# Altium PCB LPC4357_SDRAM_v0.2.PcbDoc (part 2 of 3)
Units mm, origin at the board's own origin, x right, y up, seen from the top; angles counter-clockwise.
Board outline 50 x 50 mm, 4 copper layers (Top Layer, Int1 (GND), Int2 (PWR), Bottom Layer), stack 1.57 mm thick; 82 components, 233 nets, 695 pads, 346 vias.
Unrouted connection lines stored in the file: 15.
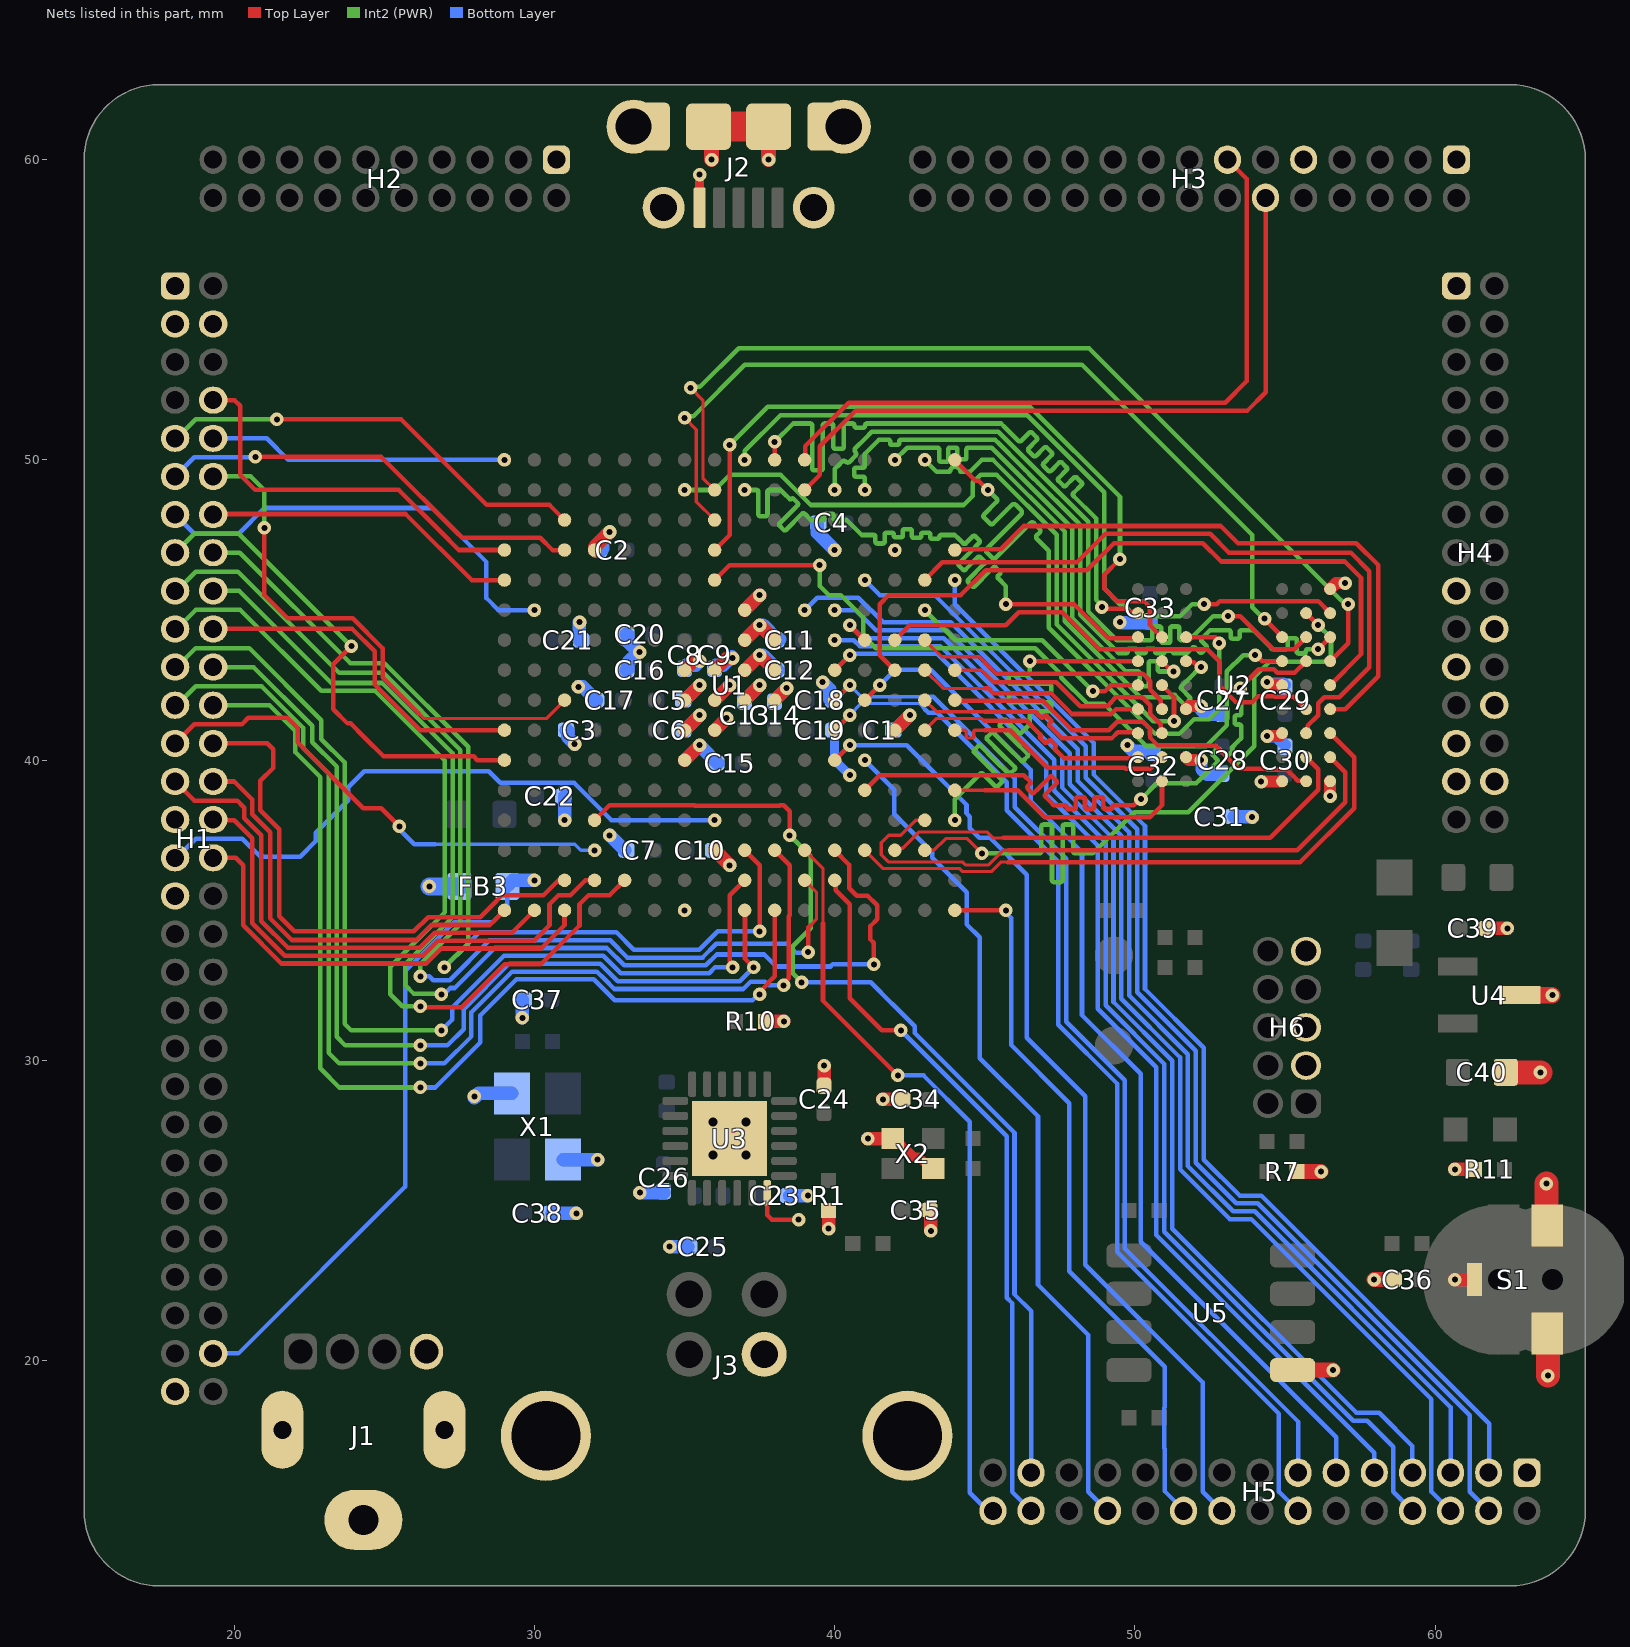
[diagram p4: the nets of this part, all layers, seen from the top]

## Via types
v1: diameter 0.45, hole 0.2, Top Layer to Bottom Layer, tented both sides, 257 vias
v2: diameter 0.45, hole 0.2, Top Layer to Bottom Layer, tented bottom, 71 vias
v3: diameter 0.5, hole 0.25, Top Layer to Bottom Layer, tented both sides, 13 vias
v4: diameter 0.5, hole 0.3, Top Layer to Bottom Layer, tented bottom, 4 vias
v5: diameter 0.45, hole 0.2, Top Layer to Bottom Layer, 1 vias

## Nets (pads, with @x,y where several pads share a name; then routed paths per layer and width w, separated by ;. In a path a pad name is that pad's centre, name@x,y a point inside that pad or via, vN(x,y) a via of type N, cw(c..) or ccw(c..) an arc to the next point about the centre after c; other vN are vias at no path point) (continued)
EMC_A7: U1.R3 U2.H2 | length 25.3
  Top Layer w0.11: U1.R3@43,37 43.3,37 43.69,37.39 44.41,37.39 v1(44.9,36.9)
  Top Layer w0.152: U2.H2@55.7,44.9 v1(56.1,44.5)
  Int2 (PWR) w0.152: v1(44.9,36.9) 45.287,36.9 46.708,36.9 46.814,36.9 ccw(c46.814,36.97) 46.884,36.97 46.884,37.787 cw(c46.954,37.787) 46.954,37.858 47.166,37.858 cw(c47.166,37.787) 47.236,37.787 47.236,36.9 47.236,36.012 ccw(c47.306,36.012) 47.306,35.942 47.518,35.942 ccw(c47.518,36.012) 47.588,36.012 47.588,36.9 47.588,37.787 cw(c47.658,37.787) 47.658,37.858 47.87,37.858 cw(c47.87,37.787) 47.94,37.787 47.94,36.97 ccw(c48.01,36.97) 48.01,36.9 48.6,36.9 49.972,38.272 51.777,38.272 53.972,40.467 53.972,42.777 54.467,43.272 56.372,43.272 56.528,43.428 56.528,44.072 v1(56.1,44.5)
EMC_A8: U1.J16 U2.H1 | length 25.3
  Top Layer w0.152: v1(52.3,45.2) 52.717,45.2 52.817,45.3 56.1,45.3 U2.H1@56.5,44.9
  Int2 (PWR) w0.152: v2(37,50) 37,50.3 38.193,51.493 46.407,51.493 48.972,48.928 48.972,45.723 49.497,45.197 49.603,45.197 50,44.8 51.5,44.8 51.9,45.2 v1(52.3,45.2)
EMC_A9: U1.H14 U2.G3 | length 29.6
  Top Layer w0.11: v1(35,51.4) 35.39,51.01 35.39,49.838 35.39,48.61 U1.H14@36,48
  Top Layer w0.152: v1(54.316,44.716) 54.316,44.7 54.9,44.116 U2.G3@54.9,44.1
  Int2 (PWR) w0.152: v1(35,51.4) 35.048,51.448 35.289,51.448 37.008,53.167 48.233,53.167 53.9,47.5 53.9,45.1 54.284,44.716 v1(54.316,44.716)
EMC_A10: U1.K16 U2.H9 | length 25.5
  Top Layer w0.152: U1.K16@38,50 v1(38,50.6) ; v1(48.9,45.1) 48.957,45.043 49.281,45.043 49.286,45.038 49.667,45.038 49.758,44.947 50.053,44.947 U2.H9@50.1,44.9
  Int2 (PWR) w0.152: v1(38,50.6) 38.614,51.214 38.722,51.214 38.898,51.214 39.179,51.214 cw(c39.179,51.144) 39.25,51.144 39.25,49.723 ccw(c39.32,49.723) 39.32,49.653 39.531,49.653 ccw(c39.531,49.723) 39.602,49.723 39.602,51.144 cw(c39.672,51.144) 39.672,51.214 39.883,51.214 cw(c39.883,51.144) 39.954,51.144 39.954,50.444 ccw(c40.024,50.444) 40.024,50.374 40.235,50.374 ccw(c40.235,50.444) 40.306,50.444 40.306,51.144 cw(c40.376,51.144) 40.376,51.214 40.587,51.214 cw(c40.587,51.144) 40.658,51.144 ccw(c40.728,51.144) 40.728,51.073 40.939,51.073 ccw(c40.939,51.144) 41.01,51.144 cw(c41.08,51.144) 41.08,51.214 41.362,51.214 41.714,51.214 42.066,51.214 42.418,51.214 42.77,51.214 43.122,51.214 43.474,51.214 43.826,51.214 44.178,51.214 44.53,51.214 44.882,51.214 45.234,51.214 45.539,51.214 45.663,51.09 45.912,50.841 46.111,50.642 ccw(c46.161,50.691) 46.211,50.642 46.472,50.903 cw(c46.522,50.853) 46.572,50.903 46.721,50.754 cw(c46.671,50.704) 46.721,50.654 46.46,50.393 ccw(c46.509,50.343) 46.46,50.293 46.609,50.144 ccw(c46.659,50.194) 46.708,50.144 46.97,50.405 cw(c47.02,50.355) 47.069,50.405 47.219,50.256 cw(c47.169,50.206) 47.219,50.156 46.957,49.895 ccw(c47.007,49.845) 46.957,49.795 47.107,49.646 ccw(c47.156,49.696) 47.206,49.646 47.468,49.907 cw(c47.517,49.858) 47.567,49.907 47.717,49.758 cw(c47.667,49.708) 47.717,49.658 47.455,49.397 ccw(c47.505,49.347) 47.455,49.297 47.605,49.148 ccw(c47.654,49.198) 47.704,49.148 47.966,49.41 cw(c48.015,49.36) 48.065,49.41 48.214,49.26 cw(c48.165,49.21) 48.214,49.161 47.953,48.899 ccw(c48.003,48.849) 47.953,48.8 48.655,48.098 48.702,48.05 48.702,45.338 48.9,45.14 v1(48.9,45.1)
EMC_A11: U1.M15 U2.G2 | length 24.5
  Top Layer w0.152: v1(53.1,44.8) 53.5,44.8 54.6,43.7 55.3,43.7 U2.G2@55.7,44.1
  Int2 (PWR) w0.152: v2(40,49) 40,49.7 40.145,49.845 40.241,49.941 cw(c40.305,49.877) 40.369,49.941 ccw(c40.433,50.005) 40.497,49.941 40.689,50.133 ccw(c40.625,50.197) 40.689,50.261 cw(c40.753,50.325) 40.689,50.389 41.025,50.725 41.235,50.935 45.447,50.935 48.44,47.942 48.44,44.954 49.395,44 49.459,44 50.112,44 50.264,44 50.508,44 ccw(c50.508,44.061) 50.568,44.061 50.568,44.392 cw(c50.629,44.392) 50.629,44.453 50.812,44.453 cw(c50.812,44.392) 50.872,44.392 50.872,44 50.872,43.969 ccw(c50.933,43.969) 50.933,43.909 51.116,43.909 ccw(c51.116,43.969) 51.176,43.969 51.176,44 51.176,44.392 cw(c51.237,44.392) 51.237,44.453 51.42,44.453 cw(c51.42,44.392) 51.48,44.392 51.48,44.061 ccw(c51.541,44.061) 51.541,44 51.8,44 52.2,44.4 52.6,44.8 v1(53.1,44.8)
EMC_A12: U1.N15 U2.G1 | length 25.5
  Top Layer w0.152: v1(56.1,43.7) U2.G1@56.5,44.1
  Int2 (PWR) w0.152: v2(41,49) 41,49.181 41,49.379 ccw(c40.939,49.379) 40.939,49.44 40.712,49.44 cw(c40.712,49.501) 40.651,49.501 40.651,49.683 cw(c40.712,49.683) 40.712,49.744 40.939,49.744 ccw(c40.939,49.805) 41,49.805 41,50.048 41,50.2 41.473,50.673 41.539,50.673 41.782,50.673 cw(c41.782,50.612) 41.843,50.612 41.843,50.562 ccw(c41.903,50.562) 41.903,50.502 42.086,50.502 ccw(c42.086,50.562) 42.147,50.562 42.147,50.612 cw(c42.207,50.612) 42.207,50.673 42.451,50.673 42.755,50.673 43.059,50.673 43.363,50.673 43.667,50.673 43.971,50.673 44.275,50.673 44.579,50.673 44.883,50.673 45.187,50.673 45.339,50.673 45.491,50.52 45.706,50.305 45.921,50.09 46.136,49.875 46.351,49.66 46.566,49.445 46.781,49.23 46.996,49.015 47.211,48.801 47.426,48.586 47.641,48.371 47.856,48.156 48.071,47.941 48.178,47.833 48.178,47.734 48.178,47.43 48.178,47.126 48.178,46.822 48.178,46.518 48.178,46.214 48.178,45.91 48.178,45.606 48.178,45.302 48.178,44.998 48.178,44.846 48.28,44.744 48.495,44.529 48.71,44.314 48.925,44.099 49.14,43.884 49.355,43.669 49.462,43.562 49.696,43.562 ccw(c49.696,43.623) 49.757,43.623 49.757,43.657 cw(c49.817,43.657) 49.817,43.718 50,43.718 cw(c50,43.657) 50.061,43.657 50.061,43.623 ccw(c50.121,43.623) 50.121,43.562 50.304,43.562 ccw(c50.304,43.623) 50.365,43.623 50.365,43.657 cw(c50.425,43.657) 50.425,43.718 50.608,43.718 cw(c50.608,43.657) 50.669,43.657 50.669,43.623 ccw(c50.729,43.623) 50.729,43.562 50.949,43.562 ccw(c50.949,43.586) 50.973,43.586 cw(c51.033,43.586) 51.033,43.647 51.216,43.647 cw(c51.216,43.586) 51.277,43.586 ccw(c51.3,43.586) 51.3,43.562 51.581,43.562 51.733,43.562 51.746,43.576 51.918,43.748 cw(c51.961,43.705) 52.004,43.748 52.155,43.596 ccw(c52.198,43.639) 52.241,43.596 52.37,43.725 ccw(c52.327,43.768) 52.37,43.811 52.219,43.962 cw(c52.262,44.005) 52.219,44.048 52.391,44.22 52.498,44.328 52.574,44.328 52.878,44.328 53.121,44.328 cw(c53.121,44.267) 53.182,44.267 53.182,44.113 ccw(c53.243,44.113) 53.243,44.052 53.425,44.052 ccw(c53.425,44.113) 53.486,44.113 53.486,44.267 cw(c53.547,44.267) 53.547,44.328 53.79,44.328 53.942,44.328 54.033,44.237 54.248,44.022 54.463,43.807 54.57,43.7 54.782,43.7 55.025,43.7 ccw(c55.025,43.761) 55.086,43.761 55.086,44.001 cw(c55.146,44.001) 55.146,44.062 55.329,44.062 cw(c55.329,44.001) 55.39,44.001 55.39,43.7 55.39,43.615 ccw(c55.45,43.615) 55.45,43.554 55.633,43.554 ccw(c55.633,43.615) 55.694,43.615 55.694,43.639 cw(c55.754,43.639) 55.754,43.7 55.846,43.7 v1(56.1,43.7)
EMC_A13: U1.T16 U2.G7 | length 23.2
  Top Layer w0.152: U1.T16@44,50 44.7,49.3 44.8,49.3 v1(45.1,49) ; U2.G7@51.7,44.1 52.68,44.1 52.8,43.981 v1(52.8,43.9)
  Int2 (PWR) w0.15: 50.17,41.372 50.669,40.873 51.477,40.873 51.976,41.372 52.472,41.372 52.8,41.7 v1(52.8,43.9)
  Int2 (PWR) w0.152: v1(45.1,49) 45.105,49 45.358,48.747 45.385,48.72 cw(c45.324,48.659) 45.385,48.598 44.979,48.192 ccw(c45.041,48.131) 44.979,48.069 45.163,47.886 ccw(c45.224,47.947) 45.286,47.886 45.753,48.353 45.903,48.504 cw(c45.965,48.442) 46.026,48.504 46.21,48.32 cw(c46.148,48.259) 46.21,48.197 46.059,48.047 45.061,47.049 ccw(c45.122,46.987) 45.061,46.926 45.244,46.742 ccw(c45.306,46.804) 45.367,46.742 46.365,47.74 46.516,47.891 cw(c46.577,47.83) 46.638,47.891 46.822,47.708 cw(c46.761,47.646) 46.822,47.585 46.732,47.495 ccw(c46.794,47.434) 46.732,47.373 46.977,47.128 47.13,46.975 47.13,44.412 50.17,41.372
EMC_A14: U1.H13 U2.G8 | length 24.7
  Top Layer w0.152: U1.H13@36,47 36.5,47.5 v1(36.5,50.5) ; v1(49.5,46.7) 48.972,46.172 48.972,45.723 49.395,45.3 50.3,45.3 50.5,45.1 50.5,44.5 U2.G8@50.9,44.1
  Int2 (PWR) w0.152: v1(36.5,50.5) 37.772,51.772 46.499,51.772 49.5,48.771 v1(49.5,46.7)
EMC_CAS: U1.R16 U2.F7 | length 16.7
  Top Layer w0.152: U2.F7@51.7,43.3 51.739,43.261 51.962,43.261 52.123,43.1 v1(52.2,43.1)
  Int2 (PWR) w0.15: 49.756,42.527 50.183,42.1 51.186,42.1 51.25,42.164 cw(c51.292,42.121) 51.334,42.164 51.616,41.882 ccw(c51.658,41.925) 51.701,41.882 51.828,42.01 ccw(c51.786,42.052) 51.828,42.094 51.547,42.376 cw(c51.589,42.418) 51.547,42.461 51.716,42.63 51.818,42.732 52.162,43.076 52.162,43.1 v1(52.2,43.1)
  Int2 (PWR) w0.152: v2(43,50) 43.4,49.6 43.485,49.6 43.837,49.6 cw(c44.013,49.6) 44.189,49.6 44.5,49.6 44.9,50 45.271,50 47.654,47.616 47.654,44.629 49.756,42.527
EMC_CKE: U1.H12 U2.F3 | length 24.8
  Top Layer w0.152: U1.H12@36,46 36.5,46.5 v1(39.5,46.5) ; v1(54,43.5) 54.038,43.5 54.238,43.3 U2.F3@54.9,43.3
  Int2 (PWR) w0.152: v1(39.5,46.5) 39.5,45.8 39.8,45.5 40.2,45.5 40.942,44.758 40.942,44.158 41.372,43.728 45,43.728 46.677,43.728 47.55,42.855 47.55,42.745 48.423,41.872 48.977,41.872 50.377,40.472 52.377,40.472 53.062,41.157 53.062,42.962 53.6,43.5 v1(54,43.5)
EMC_CLK: U1.N5 U2.F2 | length 22.5
  Top Layer w0.15: v1(53.5,42.4) 54.126,43.027 54.629,43.027 54.741,42.915 55.315,42.915 U2.F2@55.7,43.3
  Top Layer w0.152: U1.N5@41,39 41.5,39.5 46.2,39.5 46.3,39.5 46.333,39.467 46.505,39.295 cw(c46.462,39.252) 46.505,39.209 46.434,39.139 ccw(c46.477,39.096) 46.434,39.053 46.563,38.924 ccw(c46.606,38.967) 46.649,38.924 46.763,39.037 47.165,39.44 cw(c47.208,39.397) 47.251,39.44 47.38,39.311 cw(c47.337,39.268) 47.38,39.225 47.021,38.865 ccw(c47.064,38.822) 47.021,38.779 47.193,38.607 47.3,38.5 47.424,38.5 47.667,38.5 cw(c47.667,38.439) 47.728,38.439 47.728,38.435 ccw(c47.789,38.435) 47.789,38.374 47.971,38.374 ccw(c47.971,38.435) 48.032,38.435 48.032,38.5 48.032,38.709 cw(c48.093,38.709) 48.093,38.77 48.275,38.77 cw(c48.275,38.709) 48.336,38.709 48.336,38.5 48.336,38.435 ccw(c48.397,38.435) 48.397,38.374 48.579,38.374 ccw(c48.579,38.435) 48.64,38.435 48.64,38.5 48.64,38.709 cw(c48.701,38.709) 48.701,38.77 48.883,38.77 cw(c48.883,38.709) 48.944,38.709 48.944,38.5 48.944,38.435 ccw(c49.005,38.435) 49.005,38.374 49.187,38.374 ccw(c49.187,38.435) 49.248,38.435 49.248,38.439 cw(c49.309,38.439) 49.309,38.5 49.4,38.5 49.962,38.5 50.162,38.7 v1(50.2,38.7)
  Int2 (PWR) w0.152: v1(50.2,38.7) 50.728,39.228 51.1,39.228 51.273,39.228 51.577,39.228 51.881,39.228 52.033,39.228 52.137,39.331 52.352,39.546 52.567,39.761 52.739,39.933 ccw(c52.696,39.976) 52.739,40.019 52.596,40.162 cw(c52.639,40.205) 52.596,40.248 52.725,40.377 cw(c52.768,40.334) 52.811,40.377 52.996,40.191 53.024,40.164 ccw(c53.067,40.207) 53.11,40.164 53.239,40.293 ccw(c53.196,40.336) 53.239,40.379 cw(c53.266,40.406) 53.239,40.434 53.426,40.621 53.534,40.729 53.534,40.884 53.534,41.127 ccw(c53.473,41.127) 53.473,41.188 53.385,41.188 cw(c53.385,41.249) 53.324,41.249 53.324,41.431 cw(c53.385,41.431) 53.385,41.492 53.473,41.492 ccw(c53.473,41.553) 53.534,41.553 53.534,41.796 53.534,41.948 53.534,42.366 v1(53.5,42.4)
EMC_CS0: U1.J15 U2.G9 | length 24.7
  Top Layer w0.15: 48.922,44.248 49.109,44.062 50.062,44.062 U2.G9@50.1,44.1
  Top Layer w0.152: v1(45.7,45.2) 47.971,45.2 48.922,44.248
  Int2 (PWR) w0.152: v2(37,49) 37.152,49 37.395,49 cw(c37.395,48.939) 37.456,48.939 37.456,48.191 ccw(c37.517,48.191) 37.517,48.13 37.699,48.13 ccw(c37.699,48.191) 37.76,48.191 37.76,48.939 cw(c37.821,48.939) 37.821,49 38.064,49 38.2,49 38.307,48.893 38.501,48.699 ccw(c38.522,48.721) 38.544,48.699 cw(c38.587,48.656) 38.63,48.699 38.759,48.57 cw(c38.716,48.527) 38.759,48.484 38.737,48.463 38.165,47.891 ccw(c38.208,47.848) 38.165,47.805 38.294,47.676 ccw(c38.337,47.719) 38.38,47.676 38.909,48.205 cw(c38.952,48.162) 38.995,48.205 39.167,48.033 39.2,48 39.352,48 39.595,48 ccw(c39.595,48.061) 39.656,48.061 39.656,48.147 cw(c39.717,48.147) 39.717,48.208 39.899,48.208 cw(c39.899,48.147) 39.96,48.147 39.96,48.061 ccw(c40.021,48.061) 40.021,48 40.264,48 40.4,48 40.9,47.5 41.052,47.5 41.295,47.5 cw(c41.295,47.439) 41.356,47.439 41.356,47.279 ccw(c41.417,47.279) 41.417,47.218 41.599,47.218 ccw(c41.599,47.279) 41.66,47.279 41.66,47.5 41.66,47.515 cw(c41.721,47.515) 41.721,47.576 41.903,47.576 cw(c41.903,47.515) 41.964,47.515 41.964,47.5 41.964,47.485 ccw(c42.025,47.485) 42.025,47.424 42.207,47.424 ccw(c42.207,47.485) 42.268,47.485 42.268,47.5 42.268,47.632 cw(c42.329,47.632) 42.329,47.692 42.511,47.692 cw(c42.511,47.632) 42.572,47.632 42.572,47.5 42.572,47.464 ccw(c42.633,47.464) 42.633,47.403 42.815,47.403 ccw(c42.815,47.464) 42.876,47.464 42.876,47.5 42.876,47.515 cw(c42.937,47.515) 42.937,47.576 43.119,47.576 cw(c43.119,47.515) 43.18,47.515 43.18,47.5 43.18,47.436 ccw(c43.241,47.436) 43.241,47.375 43.423,47.375 ccw(c43.423,47.436) 43.484,47.436 43.484,47.439 cw(c43.545,47.439) 43.545,47.5 43.788,47.5 44,47.5 44.107,47.393 44.279,47.221 ccw(c44.322,47.264) 44.365,47.221 44.599,47.454 cw(c44.642,47.411) 44.685,47.454 44.814,47.325 cw(c44.771,47.282) 44.814,47.239 44.537,46.963 44.14,46.565 ccw(c44.183,46.522) 44.14,46.479 44.269,46.35 ccw(c44.312,46.393) 44.355,46.35 44.752,46.748 44.763,46.758 cw(c44.806,46.715) 44.849,46.758 44.978,46.629 cw(c44.935,46.586) 44.978,46.543 44.967,46.533 44.447,46.013 ccw(c44.49,45.97) 44.447,45.927 44.576,45.798 ccw(c44.619,45.841) 44.662,45.798 45.182,46.318 45.283,46.418 cw(c45.326,46.375) 45.369,46.418 45.497,46.289 cw(c45.454,46.246) 45.497,46.203 45.44,46.146 ccw(c45.483,46.103) 45.44,46.06 45.7,45.8 v1(45.7,45.2)
EMC_DQ0: U1.T5 U2.A8 | length 8.2
  Top Layer w0.11: U1.T5@44,39 45,39
  Top Layer w0.152: 45,39 46.1,39 47,38.1 50.5,38.1 50.9,38.5 U2.A8@50.9,39.3
EMC_DQ1: U1.R7 U2.B9 | length 8.1
  Top Layer w0.11: U1.R7@43,41 43.39,41.39 44.883,41.39 44.963,41.31 45,41.31
  Top Layer w0.152: 45,41.31 46.39,41.31 46.752,40.948 46.833,40.867 cw(c46.79,40.824) 46.833,40.781 ; 46.861,40.81 ccw(c46.904,40.767) 46.861,40.724 46.99,40.595 ccw(c47.033,40.638) 47.076,40.595 47.091,40.609 47.134,40.652 cw(c47.177,40.609) 47.22,40.652 47.349,40.523 cw(c47.306,40.48) 47.349,40.437 ; 47.349,40.437 ccw(c47.392,40.394) 47.349,40.351 47.521,40.179 47.628,40.072 50.072,40.072 U2.B9@50.1,40.1
EMC_DQ2: U1.T7 U2.B8 | length 8
  Top Layer w0.11: U1.T7@44,41 44.126,41 44.328,41 cw(c44.328,40.95) 44.378,40.95 44.378,40.787 ccw(c44.428,40.787) 44.428,40.737 44.58,40.737 ccw(c44.58,40.787) 44.63,40.787 44.63,40.95 cw(c44.68,40.95) 44.68,41 44.882,41 44.9,41 45,41
  Top Layer w0.15: 49.939,39.715 50.261,39.715
  Top Layer w0.152: 45,41 45.831,41 47.082,39.749 49.656,39.749 49.69,39.715 49.939,39.715 ; 50.261,39.715 50.515,39.715 U2.B8@50.9,40.1
EMC_DQ3: U1.R8 U2.C9 | length 7.9
  Top Layer w0.11: U1.R8@43,42 43.39,41.61 45,41.61
  Top Layer w0.152: 45,41.61 46.69,41.61 46.797,41.503 46.862,41.438 ccw(c46.905,41.481) 46.948,41.438 46.977,41.467 cw(c47.019,41.424) 47.062,41.467 47.191,41.338 cw(c47.148,41.295) 47.191,41.252 47.163,41.223 ccw(c47.206,41.18) 47.163,41.137 47.276,41.024 47.562,40.738 49.233,40.738 49.423,40.928 50.072,40.928 U2.C9@50.1,40.9
EMC_DQ4: U1.T9 U2.C8 | length 8.3
  Top Layer w0.11: U1.T9@44,43 44.889,43 45,42.889
  Top Layer w0.152: 45,42.889 45.289,42.6 47.381,42.6 48.181,41.8 49.097,41.8 49.365,42.1 50.246,42.1 50.514,41.832 50.514,41.54 50.853,41.202 50.853,40.947 U2.C8@50.9,40.9
EMC_DQ5: U1.R9 U2.D9 | length 7.8
  Top Layer w0.11: U1.R9@43,43 43.61,42.39 45,42.39
  Top Layer w0.152: 45,42.39 45.128,42.39 45.282,42.236 47.205,42.236 47.903,41.538 49.206,41.538 49.368,41.7 U2.D9@50.1,41.7
EMC_DQ6: U1.R10 U2.D8 | length 9.2
  Top Layer w0.11: U1.R10@43,44 43.555,43.445 44.815,43.445 45,43.259
  Top Layer w0.152: 45,43.259 45.387,42.872 49.926,42.872 49.94,42.886 50.26,42.886 50.514,42.632 50.514,42.34 50.853,42.002 50.853,41.747 U2.D8@50.9,41.7
EMC_DQ7: U1.R11 U2.E9 | length 8.3
  Top Layer w0.152: v1(48.6,42.3) 49,42.3 49.199,42.499 U2.E9@50.1,42.5
  Int2 (PWR) w0.152: v2(43,45) 44.01,43.99 46.91,43.99 v1(48.6,42.3)
EMC_DQ8: U1.P9 U2.E1 | length 23.8
  Top Layer w0.152: U1.P9@42,43 41.5,43.5 41.5,45.2 41.8,45.5 44.2,45.5 45.024,46.324 48.398,46.324 49.301,47.228 52.262,47.228 52.873,46.618 56.982,46.618 57.528,46.072 57.528,43.528 U2.E1@56.5,42.5
EMC_DQ9: U1.P10 U2.D2 | length 16
  Top Layer w0.15: 52.8,42.5 52.8,42.496 53.36,41.936 53.907,41.936 54.098,42.127 54.641,42.127 54.653,42.115 55.285,42.115 U2.D2@55.7,41.7
  Top Layer w0.152: U1.P10@42,44 42.5,44.5 45.7,44.5 46.128,44.928 47.572,44.928 48.81,43.69 49.974,43.69 ; 49.974,43.69 52.405,43.69 52.8,43.295 52.8,42.5
EMC_DQ10: U1.T13 U2.D1 | length 20.7
  Top Layer w0.152: U1.T13@44,47 44.024,47.024 45.524,47.024 46.3,47.8 52.859,47.8 53.43,47.228 57.372,47.228 58.1,46.5 58.1,42.8 57,41.7 U2.D1@56.5,41.7
EMC_DQ11: U1.R12 U2.C2 | length 22.5
  Top Layer w0.152: U1.R12@43,46 43.586,46.586 48.068,46.586 49.019,47.538 52.501,47.538 53.123,46.916 57.184,46.916 57.807,46.293 57.807,43.1 56.807,42.1 56.3,42.1 56.1,41.9 56.1,41.5 55.747,41.147 55.747,40.947 U2.C2@55.7,40.9
EMC_DQ12: U1.N3 U2.C1 | length 20.3
  Top Layer w0.11: U1.N3@41,37 41.61,36.39 44.162,36.39 44.262,36.29 45.214,36.29 45.531,36.607 45.762,36.607
  Top Layer w0.15: 45.762,36.607 55.507,36.607 57.3,38.4 57.3,40.1 U2.C1@56.5,40.9
EMC_DQ13: U1.P3 U2.B2 | length 16.4
  Top Layer w0.11: U1.P3@42,37 42.065,37.065 42.265,37.065 42.81,37.61 45.059,37.61 45.258,37.411 45.608,37.411
  Top Layer w0.152: 45.608,37.411 54.506,37.411 56.104,39.01 56.104,39.696 U2.B2@55.7,40.1
EMC_DQ14: U1.R4 U2.B1 | length 20.3
  Top Layer w0.11: U1.R4@43,38 42.7,38 42.2,37.5 41.8,37.5 41.546,37.246 41.546,36.854 41.79,36.61 44.253,36.61 44.353,36.51 45.123,36.51 45.613,37 45.771,37
  Top Layer w0.15: 45.771,37 55.4,37 57,38.6 57,39.6 U2.B1@56.5,40.1
EMC_DQ15: U1.T8 U2.A2 | length 13.2
  Top Layer w0.15: 50.5,40.85 50.5,40.756 50.75,40.506 51.991,40.506 52.023,40.473 52.69,40.473 53.448,39.715 54.377,39.715 54.407,39.685 55.059,39.685 55.285,39.459 55.285,39.454 55.419,39.32 55.68,39.32 U2.A2@55.7,39.3
  Top Layer w0.152: U1.T8@44,42 44.026,41.974 46.926,41.974 47.453,41.447 47.9,41 49.124,41 49.41,41.286 50.26,41.286 50.5,41.046 50.5,40.85
EMC_DQM0: U1.G15 U2.E8 | length 24.1
  Top Layer w0.152: U2.E8@50.9,42.5 51.3,42.1 v1(51.3,41.3)
  Int2 (PWR) w0.152: v2(35,49) 36,49 36.5,49.5 38.2,49.5 39.2,48.5 44.3,48.5 44.6,48.8 44.6,49.253 44.858,49.511 45.389,49.511 47.392,47.508 47.392,44.52 50.613,41.3 v1(51.3,41.3)
EMC_DQM1: U1.H15 U2.F1 | length 31.9
  Top Layer w0.11: v1(35.2,52.4) 35.61,51.99 35.61,49.838 35.61,49.39 U1.H15@36,49
  Top Layer w0.152: U2.F1@56.5,43.3 57.1,43.9 v1(57.1,45.2)
  Int2 (PWR) w0.152: v1(35.2,52.4) 35.231,52.431 35.506,52.431 36.8,53.725 48.469,53.725 56.879,45.316 56.904,45.316 57.019,45.2 v1(57.1,45.2)
EMC_RAS: U1.P16 U2.F8 | length 17.9
  Top Layer w0.152: U2.F8@50.9,43.3 v1@51.3,42.9
  Int2 (PWR) w0.152: v2(42,50) 42.411,50.411 42.563,50.411 42.867,50.411 43.171,50.411 43.414,50.411 cw(c43.414,50.35) 43.475,50.35 43.475,50.003 ccw(c43.536,50.003) 43.536,49.942 43.718,49.942 ccw(c43.718,50.003) 43.779,50.003 43.779,50.35 cw(c43.84,50.35) 43.84,50.411 44.022,50.411 cw(c44.022,50.35) 44.083,50.35 44.083,50.081 ccw(c44.144,50.081) 44.144,50.02 44.326,50.02 ccw(c44.326,50.081) 44.387,50.081 44.387,50.35 cw(c44.448,50.35) 44.448,50.411 44.539,50.411 45,50.411 45.23,50.411 47.916,47.725 47.916,44.737 49.7,42.954 49.852,42.954 50.095,42.954 cw(c50.095,42.893) 50.156,42.893 50.156,42.522 ccw(c50.217,42.522) 50.217,42.461 50.399,42.461 ccw(c50.399,42.522) 50.46,42.522 50.46,42.954 50.46,43.239 cw(c50.521,43.239) 50.521,43.3 50.703,43.3 cw(c50.703,43.239) 50.764,43.239 50.764,43.015 ccw(c50.825,43.015) 50.825,42.954 51.068,42.954 51.077,42.954 v1(51.289,42.954)
EMC_WE: U1.T4 U2.F9 | length 23.4
  Top Layer w0.152: v1(46.5,43.3) U2.F9@50.1,43.3
  Int2 (PWR) w0.152: v2(44,38) 44,38.7 44.845,39.545 cw(c44.888,39.502) 44.931,39.545 45.343,39.132 ccw(c45.386,39.175) 45.429,39.132 45.558,39.261 ccw(c45.515,39.304) 45.558,39.347 45.103,39.803 44.647,40.258 cw(c44.69,40.301) 44.647,40.344 44.776,40.473 cw(c44.819,40.43) 44.862,40.473 45.318,40.018 45.773,39.562 ccw(c45.816,39.605) 45.859,39.562 45.988,39.691 ccw(c45.945,39.734) 45.988,39.777 45.533,40.233 45.077,40.688 cw(c45.12,40.731) 45.077,40.774 45.206,40.903 cw(c45.249,40.86) 45.292,40.903 45.748,40.448 46.203,39.992 ccw(c46.246,40.035) 46.289,39.992 46.418,40.121 ccw(c46.375,40.164) 46.418,40.207 45.963,40.663 45.507,41.118 cw(c45.55,41.161) 45.507,41.204 45.636,41.333 cw(c45.679,41.29) 45.722,41.333 46.135,40.921 ccw(c46.178,40.964) 46.221,40.921 46.393,41.093 46.5,41.2 46.5,41.324 46.5,41.567 cw(c46.561,41.567) 46.561,41.628 47.144,41.628 ccw(c47.144,41.689) 47.205,41.689 47.205,41.871 ccw(c47.144,41.871) 47.144,41.932 46.5,41.932 45.856,41.932 cw(c45.856,41.993) 45.795,41.993 45.795,42.175 cw(c45.856,42.175) 45.856,42.236 46.5,42.236 47.144,42.236 ccw(c47.144,42.297) 47.205,42.297 47.205,42.479 ccw(c47.144,42.479) 47.144,42.54 46.5,42.54 45.856,42.54 cw(c45.856,42.601) 45.795,42.601 45.795,42.783 cw(c45.856,42.783) 45.856,42.844 46.439,42.844 ccw(c46.439,42.905) 46.5,42.905 46.5,43.148 v1(46.5,43.3)
ENET_COL: H5.5 U1.L11 | length 41
  Bottom Layer w0.152: v2(39,45) 39.411,45.411 40.789,45.411 41.611,44.589 43.865,44.589 48.095,40.358 48.095,39.307 49.808,37.593 49.808,32.162 51.762,30.209 51.762,29.991 51.761,29.99 51.761,29.269 51.761,26.484 53.267,24.978 53.984,24.978 60.51,18.451 H5.5@60.51,16.27
ENET_CRS: H5.20 U1.T1 | length 24.2
  Top Layer w0.152: U1.T1@44,35 v1(45.7,35)
  Bottom Layer w0.15: 50.985,19.804 50.985,18.446 50.973,18.434 50.973,17.076 50.985,17.064 50.985,15.66 51.62,15.025 H5.20@51.62,15
  Bottom Layer w0.152: v1(45.7,35) 45.7,34.919 45.876,34.743 45.876,30.515 47.816,28.575 47.816,22.974 50.985,19.804
ENET_MDIO: H5.13 U1.M8 | length 34.5
  Top Layer w0.152: U1.M8@40,42 v1(40.5,42.5)
  Bottom Layer w0.11: v1(40.5,42.5) 40.89,42.11 41.338,42.11 41.662,42.11 43.19,42.11
  Bottom Layer w0.15: 49.664,23.74 55.43,17.974 H5.13@55.43,16.27
  Bottom Layer w0.152: 43.19,42.11 43.278,42.11 45.997,39.391 45.997,38.438 47.71,36.724 47.71,31.293 49.664,29.34 49.664,23.74
ENET_RX_CLK: H5.27 U1.D4 | length 33.8
  Top Layer w0.152: U1.D4@32,38 32.5,38.5 35.329,38.5 35.341,38.489 38.17,38.489 38.178,38.496 38.304,38.496 38.5,38.3 v1@38.5,37.7
  Int2 (PWR) w0.152: v1(38.5,37.5) 39.2,36.8 39.2,34.4 38.6,33.8 38.6,32.9 v1(38.9,32.6)
  Bottom Layer w0.152: v1(38.9,32.6) 41.194,32.6 41.906,31.889 41.917,31.889 42.663,31.143 42.663,30.915 45.987,27.59 45.987,22.206 46.54,21.654 H5.27@46.54,16.27
ENET_RX_DV: H5.14 U1.M7 | length 35.5
  Top Layer w0.152: U1.M7@40,41 v1(40.5,41.5)
  Bottom Layer w0.11: v1(40.5,41.5) 40.89,41.89 41.247,41.89 41.753,41.89 42.81,41.89 43,41.7
  Bottom Layer w0.15: 49.402,23.631 54.795,18.238 54.795,15.635 H5.14@55.43,15
  Bottom Layer w0.152: 43,41.7 43.121,41.579 43.417,41.579 45.735,39.261 45.735,38.329 47.448,36.616 47.448,31.185 49.402,29.231 49.402,23.631
ENET_RX_ER: H5.24 U1.N6 | length 28.3
  Bottom Layer w0.15: 48.445,20.855 48.445,15.635 H5.24@49.08,15
  Bottom Layer w0.152: v2(41,40) 41.984,39.016 41.984,38.22 ; 41.984,38.219 41.984,38.194 43.247,36.931 43.247,36.753 44.4,35.6 44.4,34.529 44.83,34.1 44.83,30.079 46.77,28.139 46.77,22.53 48.445,20.855
ENET_RXD0: H5.3 U1.T12 | length 37.5
  Bottom Layer w0.152: v2(44,46) 44,45.195 48.619,40.575 48.619,39.524 50.333,37.81 50.333,32.38 52.286,30.426 52.286,29.774 ; H5.3@61.78,16.27 61.8,16.29 61.8,17.9 54.2,25.5 53.484,25.5 52.285,26.698 52.285,29.773 ; 52.285,29.773 52.286,29.774
ENET_RXD1: H5.30 U1.L3 | length 25.2
  Top Layer w0.11: U1.L3@39,37 39.61,36.39 39.61,34.565
  Top Layer w0.152: 39.61,34.565 39.61,31.99 v1(42.1,29.5)
  Bottom Layer w0.15: 42.959,29.5 44.5,27.959 44.5,15.6 45.1,15 H5.30@45.27,15
  Bottom Layer w0.152: v1(42.1,29.5) 42.959,29.5
ENET_RXD2: H5.18 U1.M6 | length 32.7
  Top Layer w0.152: U1.M6@40,40 v1(40.5,40.5)
  Bottom Layer w0.15: 52.255,16.727 52.255,15.635 H5.18@52.89,15
  Bottom Layer w0.152: v1(40.5,40.5) 42.4,40.5 44.389,38.511 44.389,38.23 44.5,38.118 44.5,37.729 44.818,37.411 45.17,37.411 46.4,36.182 46.4,30.751 48.34,28.811 48.34,23.191 52.255,19.276 52.255,16.727
ENET_RXD3: H5.11 U1.N8 | length 35
  Top Layer w0.152: U1.N8@41,42 v1(41.5,42.5)
  Bottom Layer w0.15: 50.188,23.957 56.7,17.445 H5.11@56.7,16.27
  Bottom Layer w0.152: v1(41.5,42.5) 42.015,43.015 43.193,43.015 46.521,39.687 46.521,38.655 48.235,36.941 48.235,31.511 50.188,29.557 50.188,23.957
ENET_TX_CLK: H5.6 U1.M11 | length 40.7
  Bottom Layer w0.15: 51.5,30.1 51.5,26.376 53.159,24.717 53.876,24.717 59.875,18.717 59.875,15.635 H5.6@60.51,15
  Bottom Layer w0.152: v2(40,45) 40.7,45 41.373,44.327 42.209,44.327 43.736,44.327 47.833,40.23 47.833,39.198 49.546,37.485 49.546,32.054 51.5,30.1
ENET_TX_EN: H5.28 U1.M2 | length 24.1
  Top Layer w0.152: U1.M2@40,36 40.034,35.966 40.034,35.666 40.5,35.2 40.5,32.066 41.566,31 v1(42.2,31)
  Bottom Layer w0.15: 45.725,24.204 45.726,24.203 45.726,22.098 45.905,21.919 45.905,15.635 H5.28@46.54,15
  Bottom Layer w0.152: v1(42.2,31) 45.725,27.475 45.725,24.204
ENET_TXD0: H5.4 U1.N12 | length 41.1
  Bottom Layer w0.15: 52.023,27.348 52.024,27.347 52.024,26.59 53.376,25.239 54.092,25.239 61.145,18.186 61.145,15.635 H5.4@61.78,15
  Bottom Layer w0.152: v2(41,46) 41.5,45.5 43.324,45.5 48.357,40.467 48.357,39.415 50.071,37.702 50.071,32.271 52.024,30.317 52.024,29.883 52.023,29.882 52.023,27.348
ENET_TXD1: H5.8 U1.M10 | length 39.2
  Bottom Layer w0.15: 50.975,27.725 50.975,24.292 57.268,18 57.738,18 58.605,17.133 58.605,15.635 H5.8@59.24,15
  Bottom Layer w0.152: v2(40,44) 40.629,44 40.827,43.802 43.519,43.802 47.308,40.013 47.308,38.981 49.022,37.267 49.022,31.837 50.975,29.883 50.975,27.725
ENET_TXD2: H5.7 U1.N10 | length 38.7
  Top Layer w0.152: v1(40.5,44.5) U1.N10@41,44
  Bottom Layer w0.15: H5.7@59.24,16.27 59.24,16.911
  Bottom Layer w0.152: v1(40.5,44.5) 40.936,44.064 43.628,44.064 47.571,40.121 47.571,39.089 49.284,37.376 49.284,31.945 51.238,29.991 51.238,24.399 57.376,18.261 58.139,18.261 59.24,17.16 59.24,16.911
ENET_TXD3: H5.9 U1.M9 | length 36.9
  Top Layer w0.152: U1.M9@40,43 v1(40.5,43.5)
  Bottom Layer w0.15: 50.713,24.187 57.97,16.93 H5.9@57.97,16.27
  Bottom Layer w0.152: v1(40.5,43.5) 40.54,43.54 43.41,43.54 47.046,39.904 47.046,38.872 48.759,37.159 48.759,31.728 50.713,29.774 50.713,24.187
GND: C1.2 C2.2 C3.2 C4.2 C5.2 C6.2 C7.2 C8.2 C9.2 C10.2 C11.2 C12.2 C13.2 C14.2 C15.2 C16.2 C17.2 C18.2 C19.2 C20.2 C21.2 C22.2 C23.2 C24.2 C25.2 C26.2 C27.2 C28.2 C29.2 C30.2 C31.2 C32.2 C33.2 C34.2 C35.2 C36.2 C37.2 C38.2 C39.2 C40.2 FB3.1 H1.1 H1.3 H1.4 H1.29 H1.33 H1.59 H2.1 H3.1 H3.9 H4.1 H4.17 H4.20 H4.21 H4.24 H4.25 H4.27 H4.28 H5.1 H6.3 H6.5 H6.9 J1.4 J1.MH J2.5 J2.MH J3.4 J3.SH R1.1 R7.1 R10.1 R11.1 S1.3 S1.4 S1.5 U1.C4 U1.D13 U1.G1 U1.G6 U1.G7 U1.G8 U1.G9 U1.H3 U1.H7 U1.H8 U1.H9 U1.J8 U1.J9 U1.J10 U1.J11 U1.K8 U1.K9 U1.K10 U1.M13 U1.P7 U1.P13 U2.A1 U2.A3 U2.B7 U2.C3 U2.D7 U2.E3 U2.J1 U3.18 U3.25 U4.3 U5.1 X1.2 X1.4 X2.2 X2.4 | length 68.6
  Top Layer w0.15: U3.18@37.75,25.59 37.75,24.85 37.9,24.7 v1(38.8,24.7)
  Top Layer w0.3: J2.5@35.5,58.4 v1(35.5,59.5) ; X2.4@41.925,27.4 42.125,27.2 42.2,27.2 42.34,27.06 42.358,27.06 42.628,26.79 42.8,26.79 42.99,26.6 43.075,26.6 X2.2@43.275,26.4
  Top Layer w0.4: U2.B7@51.7,40.1 51.8,40 v2(52.2,40) ; U2.D7@51.7,41.7 51.8,41.8 v1(52.2,41.8) ; v1(54.2,39.288) 54.209,39.298 54.898,39.298 U2.A3@54.9,39.3 ; v1(54.4,40.8) 54.409,40.809 54.809,40.809 U2.C3@54.9,40.9 ; v1(54.4,42.6) 54.413,42.6 54.499,42.514 54.886,42.514 U2.E3@54.9,42.5 ; v1(56.5,38.8) U2.A1@56.5,39.3 ; U2.J1@56.5,45.7 56.7,45.9 v1(57,45.9)
  Top Layer w0.45: U1.D13@32,47 32,47.1 v1(32.5,47.6) ; U1.G6@35,40 v1(35.5,40.5) ; U1.G7@35,41 v1(35.5,41.5) ; U1.G8@35,42 v1(35.5,42.5) ; U1.G9@35,43 35.3,43.3 v1(35.5,43.3) ; U1.H3@36,37 U1.H3@36.011,37 ; U1.H3@36,37.011 U1.H3@36.011,37 ; U1.H7@36,41 v1(36.4,41.4) ; U1.H8@36,42 v1(36.5,42.5) ; U1.H9@36,43 36.4,43.4 v1(36.6,43.4) ; v1@36.5,36.511 U1.H3@36.011,37 ; U1.J8@37,42 v1(37.5,42.5) ; U1.J9@37,43 v1(37.5,43.5) U1.K9@38,43 ; U1.J10@37,44 v1(37.5,44.5) U1.K10@38,44 ; U1.J11@37,45 v1(37.5,45.5) ; R10.1@37.7,31.3 v1(38.303,31.3) ; U1.K8@38,42 v1(38.4,42.4) ; C24.2@39.643,29.2 v1(39.643,29.829) ; v1(39.8,24.397) R1.1@39.8,25 ; v1(41.103,27.4) X2.4@41.925,27.4 ; v1(41.6,28.7) C34.2@42.203,28.7 ; U1.P7@42,41 v1(42.5,41.5) ; v1(43.203,24.322) C35.2@43.203,25.019 ; v1(60.65,22.7) S1.5@61.3,22.7 ; v1(60.65,26.373) R11.1@61.3,26.373 ; C39.2@61.75,34.4 v1(62.4,34.4)
  Top Layer w0.5: J2.MH@35.8,61.1 35.9,61 v1(35.9,60) ; v1(37.8,60) J2.MH@37.8,61.1 ; U5.1@55.25,19.69 v1@56.59,19.69 ; R7.1@55.4,26.3 v1@56.189,26.3 ; v1(57.965,22.7) C36.2@58.565,22.7
  Top Layer w0.55: U4.3@62.85,32.174 v1(63.9,32.174)
  Top Layer w0.8: C40.2@62.35,29.605 v1(63.5,29.605) ; S1.4@63.7,24.5 v1(63.7,25.9) ; v1(63.75,19.5) S1.3@63.75,20.9
  Top Layer w1: J2.MH@35.8,61.1 J2.MH@37.8,61.1
  Bottom Layer w0.3: C19.2@40,41 40,40 v1(40.5,39.5)
  Bottom Layer w0.4: v2@52.201,40 52.211,39.99 52.211,39.689 52.4,39.5 C28.2@52.9,39.5 ; v1(54.4,40.8) 54.409,40.79 54.71,40.79 C30.2@55,40.5 ; v1(54.4,42.6) 54.413,42.6 54.463,42.55 54.95,42.55 C29.2@55,42.5
  Bottom Layer w0.45: v1(28,28.8) 28,28.761 28.139,28.9 X1.2@29.25,28.9 ; v1(29.6,31.416) C37.2@29.6,32.019 ; C38.2@30.6,24.911 30.605,24.905 v1(31.395,24.905) ; X1.4@30.95,26.7 v1(32.1,26.7) ; v2(31,38) C22.2@31,38.8 ; C3.2@31.05,41 31.075,41 31.1,40.975 31.1,40.776 v1(31.339,40.537) ; v1(31.458,42.442) 31.608,42.442 32,42.05 32,42.025 32.025,42 C17.2@32.05,42 ; C21.2@31.49,44 31.492,44.002 31.492,44.592 v1(31.5,44.6) ; C2.2@32.21,47 32.23,47 32.265,47.035 32.265,47.277 32.28,47.292 32.28,47.38 v1(32.5,47.6) ; v1@32.511,37.5 C7.2@33.011,37 ; C16.2@33.05,43 33.075,43 33.1,43.025 33.1,43.236 33.464,43.6 33.1,43.964 33.1,44.175 33.075,44.2 C20.2@33.05,44.2 ; v1(33.511,25.6) C26.2@34.3,25.6 ; v1(34.497,23.8) C25.2@35.1,23.8 ; C6.2@35,41 v1(35.5,41.5) ; C5.2@35,42 v1(35.5,42.5) ; C8.2@35,43.11 35,43.13 35.035,43.165 35.365,43.165 v1(35.5,43.3) ; v1(35.5,40.5) 35.554,40.446 35.554,40.436 36.09,39.9 C15.2@36.11,39.9 ; C10.2@36,37 v1(36.5,36.5) ; C9.2@36,43.11 36,43.13 36.035,43.165 36.289,43.165 v1@36.562,43.438 ; C13.2@37,42 v1(37.5,42.5) ; v1(37.5,43.5) 37.61,43.5 38.055,43.055 38.055,43.035 38.09,43 C12.2@38.11,43 ; v1(37.5,44.5) 37.61,44.5 38.055,44.055 38.055,44.035 38.09,44 38.13,44 C11.2@38.165,44.035 ; C14.2@38,42 v1(38.4,42.4) ; C23.2@38.5,25.5 v1(39.103,25.5) ; C4.2@39.4,47.9 39.425,47.875 39.425,47.575 v2(40,47) ; v1(39.6,42.6) 39.835,42.365 39.835,42.035 39.87,42 C18.2@39.89,42 ; C1.2@42,41 v1(42.5,41.5) ; v1(49.743,40.5) 49.943,40.3 C32.2@50.6,40.3 ; C31.2@53.3,38.119 53.881,38.119 v1(53.9,38.1)
  Bottom Layer w0.452: v1(49.5,44.6) 49.516,44.584 C33.2@50.5,44.584 ; C33.2@50.5,44.56 C33.2@50.524,44.56 ; v1(52.2,41.8) 52.2,41.7 52.376,41.524 52.876,41.524 C27.2@52.9,41.5
  Bottom Layer w0.6: v1(26.5,35.8) FB3.1@27.5,35.8
  other v1: 56.6,19.69 56.2,26.3 32.5,37.5 33.5,43.6
  other v2: 35,35 42,47
  other v4: 35.95,26.85 37.05,26.85 35.95,27.95 37.05,27.95
GNDA: FB3.2 H1.58 U1.B2 | length 21.9
  Bottom Layer w0.15: H1.58@19.3,20.24 20.14,20.24 25.69,25.79 25.69,32.97 27.32,34.6 28.6,34.6 29.1,35.1 FB3.2@29.1,35.8
  Bottom Layer w0.152: FB3.2@29.1,35.8 FB3.2@29.1,35.825
  Bottom Layer w0.45: FB3.2@29.1,35.825 29.275,36 v2(30,36)
I2C0_SCL: H3.12 U1.L15 | length 23.7
  Top Layer w0.15: U1.L15@39,49 39.5,49.5 39.5,50.451 40.695,51.646 53.746,51.646 54.35,52.25 H3.12@54.35,58.73
I2C0_SDA: H3.13 U1.L16 | length 23.7
  Top Layer w0.15: H3.13@53.08,60 53.715,59.365 53.715,52.615
  Top Layer w0.152: U1.L16@39,50 39.011,50.011 39.011,50.453 40.465,51.907 53.007,51.907 53.715,52.615
LCD_DCLK: H1.31 U1.H4 | length 20.7
  Bottom Layer w0.15: H1.31@18.03,36.75 18.08,36.75 18.715,37.385 20.27,37.385 20.865,36.79 22.19,36.79
  Bottom Layer w0.152: 22.19,36.79 22.195,36.79 22.713,37.307 22.713,37.582 23.8,38.669 23.8,39.1 24.328,39.628 28.472,39.628 28.854,39.246 31.317,39.246 32.563,38 v2(36,38)
LCD_EN: H1.32 U1.C1 | length 15.4
  Top Layer w0.152: H1.32@19.3,36.75 20.05,36.75 20.3,36.5 20.3,34.5 21.572,33.228 26.391,33.228 26.891,33.728 30.228,33.728 31,34.5 U1.C1@31,35
LCD_FP: H1.30 U1.D2 | length 17.7
  Top Layer w0.152: H1.30@19.3,38.02 19.32,38 20,38 20.6,37.4 20.6,34.571 21.681,33.49 25.914,33.49 26.283,33.49 26.783,33.99 29.99,33.99 30.5,34.5 30.5,35.2 30.8,35.5 31.2,35.5 31.7,36 U1.D2@32,36
LCD_VD0: H1.28 U1.A1 | length 14.3
  Top Layer w0.152: H1.28@19.3,39.29 20,39.29 20.6,38.69 20.6,38.2 21.2,37.6 21.2,34.729 21.917,34.012 26.067,34.012 26.566,34.512 28.512,34.512 U1.A1@29,35
LCD_VD1: H1.27 U1.B1 | length 16.7
  Top Layer w0.15: H1.27@18.03,39.29 18.665,38.655 20.1,38.655 20.339,38.416 20.339,38.061 20.9,37.5 20.9,34.64 21.789,33.751 25.806,33.751 26.175,33.751 26.675,34.251 29.251,34.251 U1.B1@30,35
LCD_VD2: H1.26 U1.C2 | length 18.5
  Top Layer w0.152: H1.26@19.3,40.56 21.1,40.56 21.3,40.36 21.3,39.739 20.872,39.311 20.872,38.328 21.5,37.7 21.5,34.8 22,34.3 25.984,34.3 26.458,34.774 28.193,34.774 28.589,35.17 28.919,35.5 30.3,35.5 30.8,36 U1.C2@31,36
LCD_VD3: H1.25 U1.D3 | length 16.5
  Top Layer w0.15: H1.25@18.03,40.56 18.665,41.195 20.257,41.195 20.471,41.41 21.77,41.41 22.11,41.07 22.11,40.59 24.3,38.4 24.9,38.4 v1(25.5,37.8)
  Bottom Layer w0.11: 26.7,37.2 26.703,37.203 31.345,37.203 31.548,37 v2(32,37)
  Bottom Layer w0.15: v1(25.5,37.8) 25.5,37.742 25.479,37.721 26,37.2 26.7,37.2
LCD_VD4: H1.24 U1.K1 | length 35
  Top Layer w0.152: v1(37.5,32.2) 37.5,32.281 37.778,32.559 37.778,32.584 38,32.805 U1.K1@38,35
  Int2 (PWR) w0.152: H1.24@19.3,41.83 21.175,41.83 22.039,40.966 22.039,40.261 22.861,39.439 22.861,29.739 23.5,29.1 v1(26.2,29.1)
  Bottom Layer w0.152: v1(26.2,29.1) 26.7,29.1 28.2,30.6 28.2,31.5 29.4,32.7 31.969,32.7 32.669,32 37.262,32 37.462,32.2 v1(37.5,32.2)
LCD_VD5: H1.23 U1.K3 | length 38.5
  Top Layer w0.152: U1.K3@38,37 38.5,36.5 38.5,34.841 38.469,34.81 38.469,32.738 38.3,32.569 v1(38.3,32.5)
  Int2 (PWR) w0.15: H1.23@18.03,41.83 18.08,41.83 18.715,42.465 20.909,42.465 22.3,41.074 22.3,40.4 23.151,39.549 23.151,35.407 23.151,30.249 23.5,29.9 v1(26.2,29.9)
  Bottom Layer w0.15: v1(26.2,29.9) 27,29.9 27.9,30.8 27.9,31.6 29.261,32.961 32.078,32.961 32.322,32.717
  Bottom Layer w0.152: 32.322,32.717 32.66,32.379 36.95,32.379 37.198,32.628 37.59,32.628 37.677,32.628 37.805,32.5 v1(38.3,32.5)
LCD_VD6: H1.22 U1.J1 | length 32.8
  Top Layer w0.152: U1.J1@37,35 37.011,34.989 37.011,33.389 v1(37.3,33.1)
  Int2 (PWR) w0.152: H1.22@19.3,43.1 20.643,43.1 22.6,41.143 22.6,40.6 23.412,39.788 23.412,35.515 ; 23.412,35.515 23.412,30.788 23.7,30.5 v1(26.2,30.5)
  Bottom Layer w0.152: v1(26.2,30.5) 27.1,30.5 27.639,31.039 27.639,31.708 29.153,33.222 32.188,33.222 32.769,32.641 36.841,32.641 v1(37.3,33.1)
LCD_VD7: H1.21 U1.J2 | length 34.3
  Top Layer w0.152: v1(36.6,33.1) 36.6,33.181 36.5,33.281 36.5,35.5 U1.J2@37,36
  Int2 (PWR) w0.15: H1.21@18.03,43.1 18.08,43.1 18.715,43.735 20.5,43.735 22.9,41.335 22.9,40.7 23.673,39.927 23.673,35.623 23.673,31.227 23.9,31 v1(26.9,31)
  Bottom Layer w0.15: v1(26.9,31) 27.263,31.363 27.263,31.763
  Bottom Layer w0.152: 27.263,31.763 28.984,33.484 32.296,33.484 32.877,32.903 35.815,32.903 36.012,33.1 v1(36.6,33.1)
LCD_VD8: H1.20 U1.A7 | length 11.7
  Top Layer w0.15: H1.20@19.3,44.37 23.934,44.37 24.68,43.624 24.68,42.52 26.2,41 U1.A7@29,41
LCD_VD9: H1.19 U1.E2 | length 29.9
  Top Layer w0.15: v1(26.198,31.8) 26.225,31.773 27.573,31.773 29.01,33.21 29.966,33.21
  Top Layer w0.152: 29.966,33.21 30.216,33.21 31.5,34.494 31.5,35.2 31.8,35.5 32.5,35.5 U1.E2@33,36
  Int2 (PWR) w0.15: H1.19@18.03,44.37 18.08,44.37 18.715,45.005 20.205,45.005 22.9,42.31 24.69,42.31 27.01,39.99 27.01,34.93 25.2,33.12 25.2,32.2 25.6,31.8 v1@26.1,31.8
LCD_VD10: H1.18 U1.M3 | length 40.3
  Top Layer w0.152: U1.M3@40,37 40.489,36.511 40.489,35.73 40.73,35.489 41.092,35.489 41.411,35.17 41.411,34.701 41.189,34.479 41.189,34.03 41.3,33.919 v1(41.3,33.2)
  Int2 (PWR) w0.152: H1.18@19.3,45.64 20.16,45.64 23.229,42.571 24.929,42.571 27.271,40.229 27.271,34.771 25.7,33.2 25.7,32.5 25.972,32.228 26.872,32.228 v1(26.9,32.2)
  Bottom Layer w0.152: v1(26.9,32.2) 26.981,32.2 27.193,32.412 27.347,32.412 28.681,33.746 32.405,33.746 32.986,33.165 35.706,33.165 36.069,33.528 37.658,33.528 38.058,33.128 39.86,33.128 39.932,33.2 v1(41.3,33.2)
LCD_VD11: H1.17 U1.L2 | length 37.1
  Top Layer w0.11: U1.L2@39,36 39.39,35.61 39.39,34.7 39.195,34.505
  Top Layer w0.152: v1(39.117,33.607) 39.117,34.427 39.195,34.505
  Int2 (PWR) w0.15: H1.17@18.03,45.64 18.08,45.64 18.715,46.275 20.125,46.275 23.49,42.91 24.959,42.91 27.532,40.337 27.532,34.532 26.2,33.2 v1(26.2,32.8)
  Bottom Layer w0.15: v1(26.2,32.8) 26.5,32.8 26.627,32.673 27.177,32.673 28.504,34 28.512,34.008 32.513,34.008
  Bottom Layer w0.152: 32.513,34.008 32.521,34 33.094,33.427 35.598,33.427 36.059,33.889 38.411,33.889 38.711,33.589 39.099,33.589 v1(39.117,33.607)
LCD_VD12: H1.16 U1.J3 | length 33.2
  Top Layer w0.152: U1.J3@37,37 37.5,36.5 v1(37.5,34.3)
  Int2 (PWR) w0.15: H1.16@19.3,46.91 20.186,46.91 23.859,43.237 25,43.237 27.792,40.445 27.792,33.892 v1(27,33.1)
  Bottom Layer w0.15: v1(27,33.1) 28.1,34.2 28.17,34.27 32.622,34.27
  Bottom Layer w0.152: 32.622,34.27 32.73,34.27 33.311,33.689 35.489,33.689 36.1,34.3 v1(37.5,34.3)
LCD_VD13: H1.15 U1.A6 | length 16.4
  Top Layer w0.15: v1(23.9,43.8) 23.3,43.2 23.3,41.696 23.773,41.223 23.877,41.223 24.35,40.75
  Top Layer w0.152: 24.35,40.75 24.971,40.129 27.971,40.129 28.1,40 U1.A6@29,40
  Int2 (PWR) w0.15: H1.15@18.03,46.91 18.665,47.545 20.155,47.545 v1(23.9,43.8)
LCD_VD14: H1.14 U1.A12 | length 10.6
  Top Layer w0.152: H1.14@19.3,48.18 19.32,48.2 25.706,48.2 27.906,46 U1.A12@29,46
LCD_VD15: H1.13 U1.B11 | length 14.7
  Bottom Layer w0.15: H1.13@18.03,48.18 18.665,47.545 20.145,47.545
  Bottom Layer w0.152: 20.145,47.545 21,48.4 26.6,48.4 28.4,46.6 28.4,45.4 28.8,45 v2(30,45)
LCD_VD16: H1.12 U1.C8 | length 17.9
  Top Layer w0.11: 26.139,41.561 26.31,41.39 28.1,41.39 30.407,41.39 30.508,41.492 U1.C8@31,42
  Top Layer w0.15: v1(21,47.741) 21,45.5 21.776,44.724 23.948,44.724 24.94,43.731 24.94,42.76 26.139,41.561
  Int2 (PWR) w0.15: H1.12@19.3,49.45 20.55,49.45 21,49 v1(21,47.741)
LCD_VD17: H1.11 U1.C13 | length 14.5
  Top Layer w0.15: v1(20.7,50.1) 24.9,50.1 27.59,47.41 30.19,47.41 30.6,47 U1.C13@31,47
  Bottom Layer w0.15: H1.11@18.03,49.45 18.665,50.085 v1@20.7,50.085
LCD_VD18: H1.10 U1.A16 | length 10
  Bottom Layer w0.152: H1.10@19.3,50.72 21.08,50.72 21.8,50 v2(29,50)
LCD_VD19: H1.9 U1.C14 | length 14.6
  Top Layer w0.15: v1(21.42,51.355) 25.555,51.355 28.41,48.5 30.5,48.5 U1.C14@31,48
  Int2 (PWR) w0.15: H1.9@18.03,50.72 18.08,50.72 18.715,51.355 v1(21.42,51.355)
LCD_VD20: H1.8 U1.A13 | length 13.1
  Top Layer w0.15: H1.8@19.3,51.99 20.01,51.99 20.2,51.8 20.2,49.5 20.7,49 25.48,49 26.857,47.623
  Top Layer w0.152: 26.857,47.623 27.48,47 U1.A13@29,47